# Allegro board RK_EVB1_RK3576_LP4XD200P132SD6_V12_20240530YWQ.brd (continued)
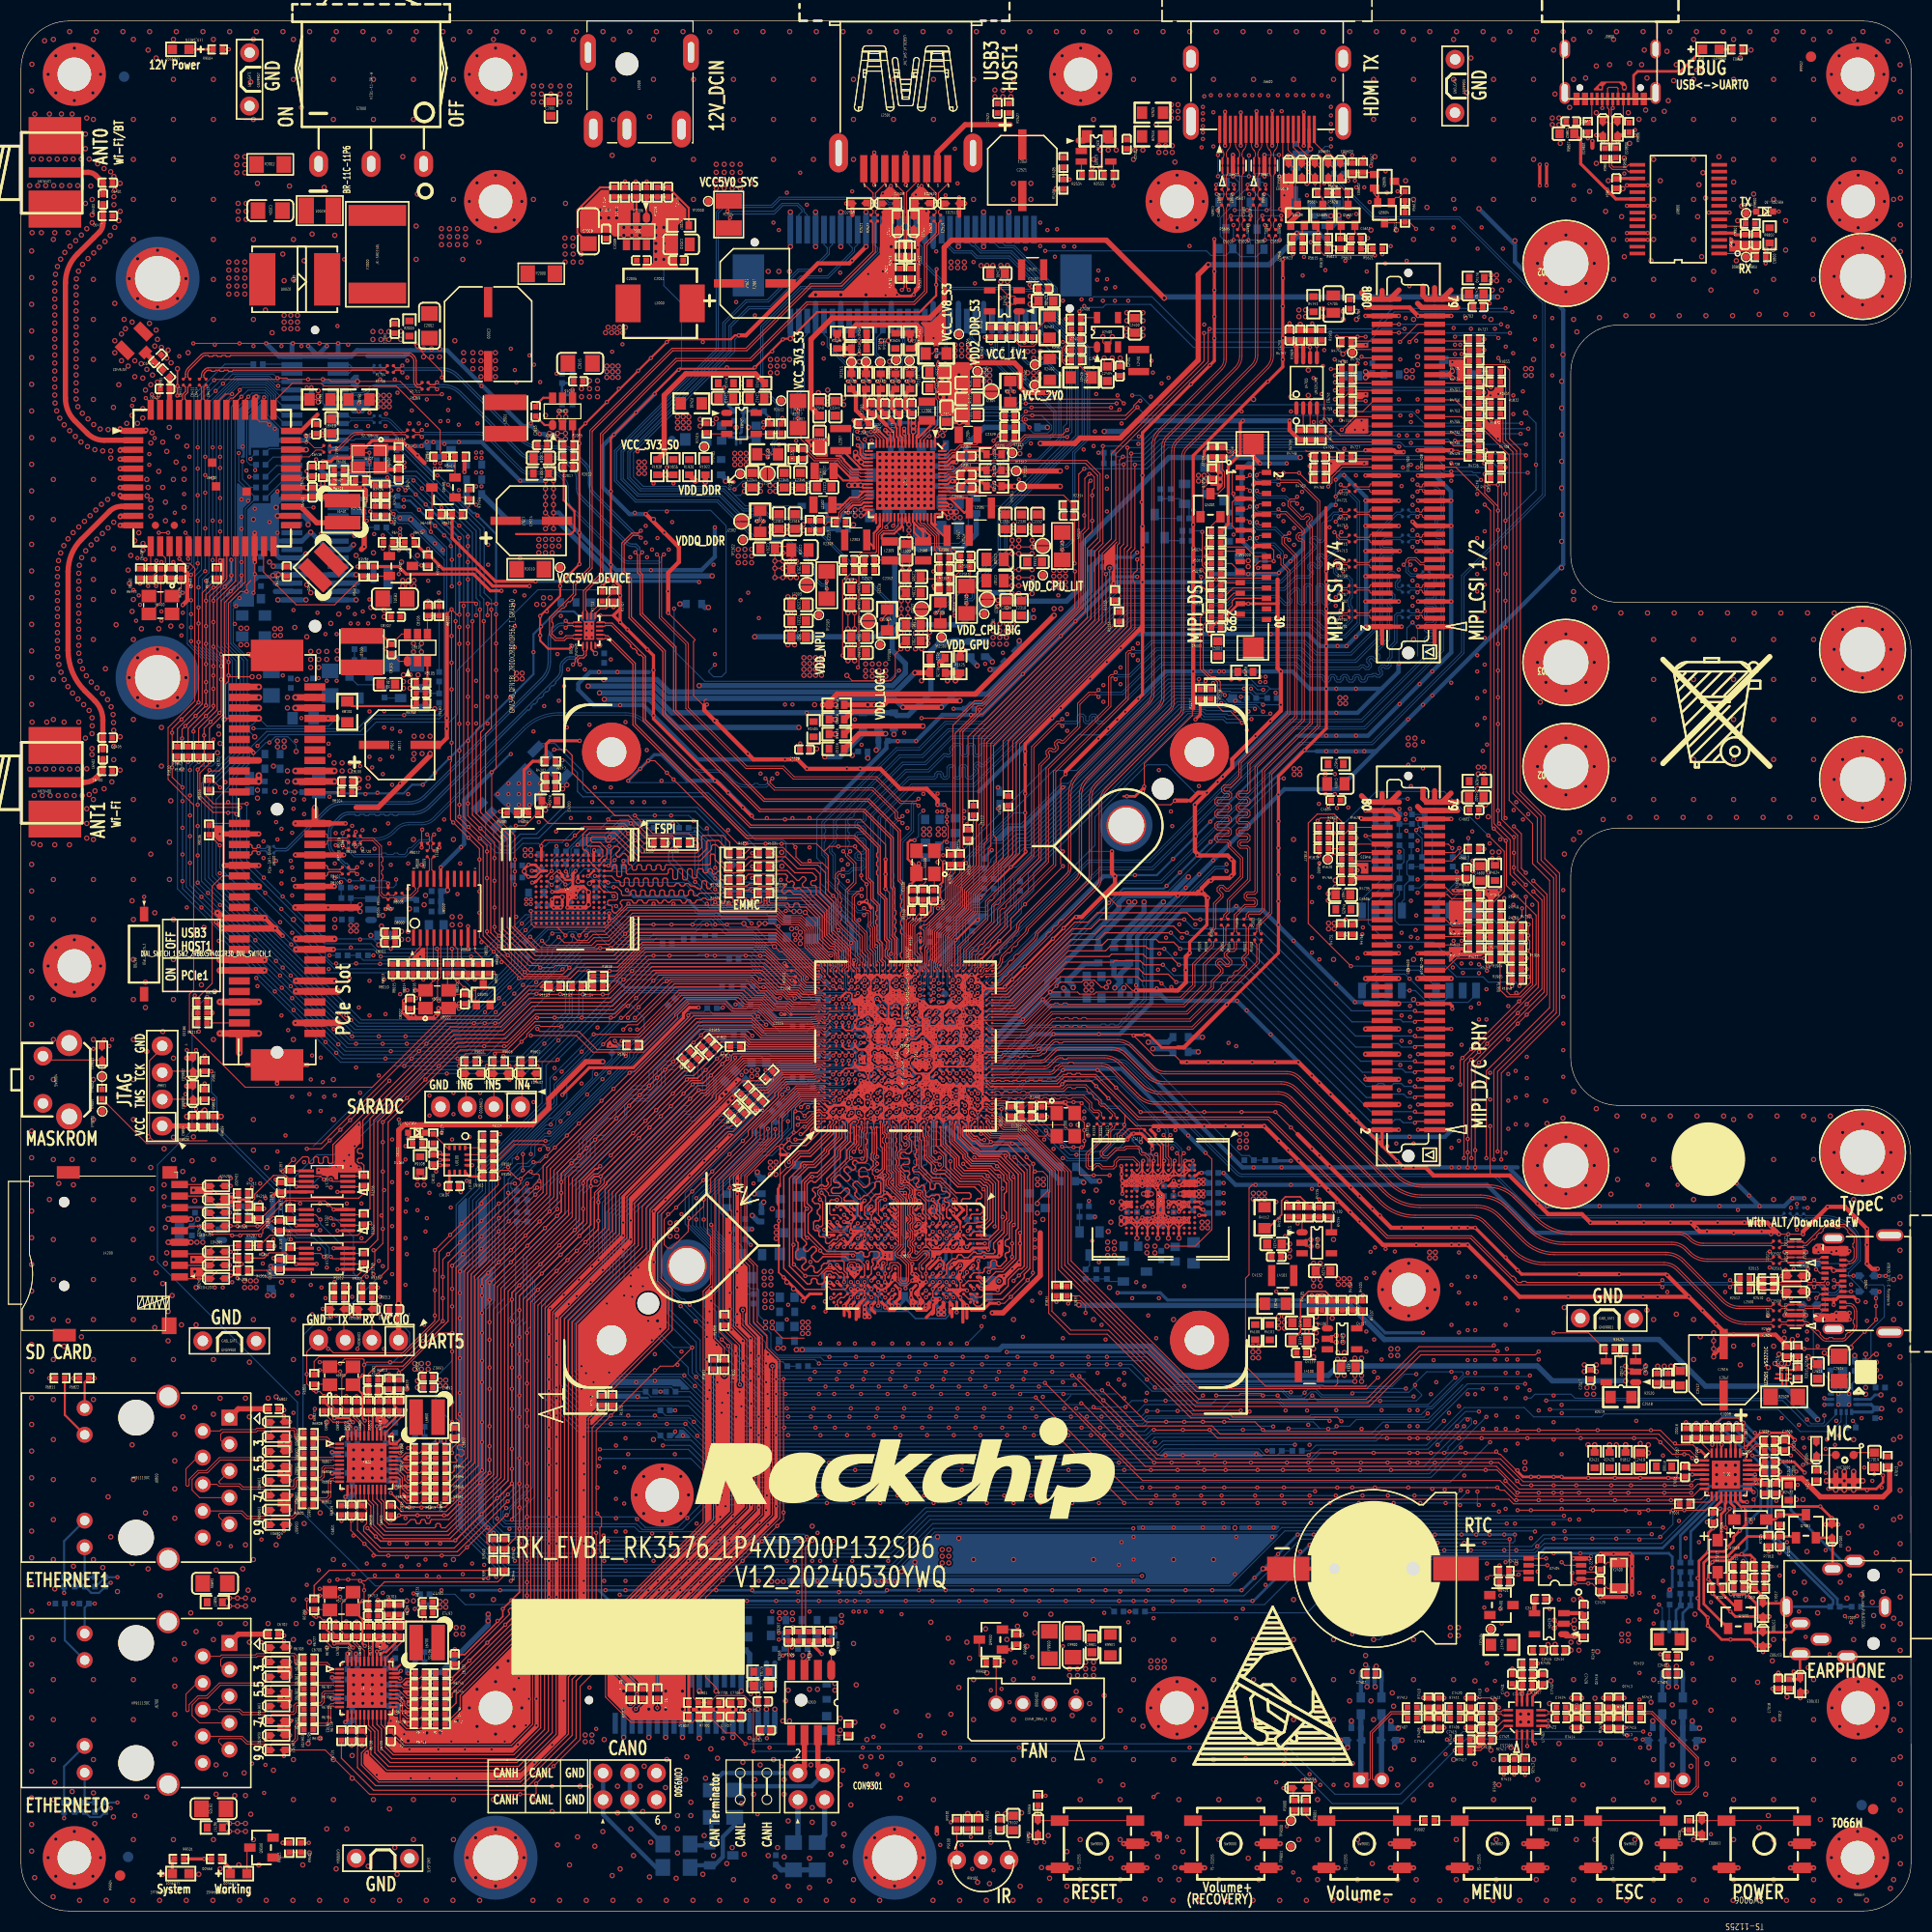
[diagram p0: board, top side]
## Routing (per net, layer and track width the routed paths; a pad name or vN(x,y) marks a point on that pad's centre or on a via; arc(x,y) is an arc through that point) (continued)
143.76,88.42 142.61,87.27 141.82,87.27 141.51,87.58 v1(141.51,90.24) ; v1(41.01,123.97) 41.52,123.46 v1(41.75,123.46) 41.75,123.46 41.75,124.66 43.19,124.66 v1(43.35,124.5) ; v1(41.01,123.97) 40.55,123.52 ; v1(41.01,123.97) v1(41.01,121.43) v1(41.01,118.89) v1(41.01,116.35) v1(41.01,111.27) 41.01,109.52 40.91,109.42 40.91,103.93 v1(41.17,103.66) v1(42.62,102.21) 43.66,101.17 v1(43.66,100.15) v1(43.66,97.1) v1(43.66,95.07) 43.66,92.72 v1(45.01,91.37) 47.59,88.79 52.31,88.79 53.05,89.53 v1(54.04,89.53) v1(56.05,89.53) 56.76,89.53 59.24,92 71.61,92 71.76,91.85 ; v2(87.39,147.32) 87.39,147.09 C2337.2 87.91,147.2 v2(88.03,147.32) ; v2(96.29,126.23) v2(95.02,126.23) v2(94.39,126.23) 94.06,126.23 C2307.2 93.9,126.99 v2(94.39,126.99) v2(95.02,126.99) v2(96.29,126.99) ; 82.87,74.47 82.97,74.37 82.87,74.26 ; 82.87,74.47 82.87,74.26 ; v2(96.29,130.55) v2(96.29,129.91) v2(95.02,129.91) ; v1(68.07,53.1) 68.07,49.83 68.14,49.75 ; 84.91,66.58 84.95,66.54 ; v1(123.48,103.83) 123.75,104.1 124.93,104.1 v1(125.17,103.86) ; 73.36,129.59 73.11,129.33 v2(72.56,129.33) ; 73.36,129.59 73.36,129.03 ; v1(93.38,76.39) 93.38,76.39 92.57,76.39 U1000.AL4 92.33,76.32 92.05,76.59 91.67,76.59 91.58,76.51 ; 24.68,145.99 24.55,145.87 18.47,145.87 v1(18.4,145.8) ; 24.68,145.99 v1(24.42,145.99) ; 24.68,145.99 25.31,145.99 25.44,145.87 v1(27.35,145.87) v1(28.75,145.87) 29.32,145.87 29.51,145.67 v2(32.04,145.67) 36.13,145.67 37.42,144.38 40.01,144.38 v1(40.09,144.46) ; v1(44.49,31.7) 33.07,31.7 32.81,31.44 v1(32.3,31.44) ; 19.88,117.55 19.76,117.66 ; v1(47.59,69.72) 47.59,69.28 45.72,67.42 45.54,67.42 v1(45.51,67.38) v1(43.86,65.73) v1(41.82,63.7) v1(40.68,62.55) 40.17,62.05 v1(40.17,60.4) v1(40.17,58.36) v1(40.17,56.18) v1(38.29,54.3) 36.26,52.27 v1(35.15,52.27) 32.93,52.27 v1(32.68,52.01) ; v1(47.59,69.72) 47.29,69.72 46.46,70.54 45.62,70.54 45.46,70.38 45.46,69.84 v1(45.51,69.79) 45.46,69.74 45.46,69.17 43.86,67.57 v1(43.86,67.38) v1(41.95,65.48) v1(40.87,64.4) v1(39.41,62.94) v1(39.41,61.03) v1(39.41,59.13) v1(39.41,56.71) 39.41,56.21 36.36,53.16 29.76,53.16 28.54,54.38 CON9304.4 27.22,53.25 v1(27.22,51.13) 27.22,50.24 27.47,49.98 27.47,49.85 27.85,49.47 v1(28.11,49.47) 28.45,49.47 v1(28.88,49.05) ; v1(47.59,69.72) 48.3,70.43 v1(48.55,70.43) 48.55,70.32 48.69,70.18 49.26,70.18 49.36,70.08 v1(49.36,69.52) ; v1(12.9,128.6) 12.87,128.56 12.87,127.44 R6413.2 12.36,126.69 v1(12.87,126.18) ; v1(55.2,69.96) 55.2,69.33 54.9,69.03 v1(54.27,69.03) ; 83.99,69.32 83.88,69.22 83.78,69.32 ; 83.99,69.32 83.78,69.32 ; 83.78,69.32 83.78,69.67 ; v1(50.54,98.39) 50.54,98.55 50.99,99 v1(51.23,99) ; 80.94,81.34 80.94,80.79 ; 83.92,68.2 83.6,68.52 ; 83.6,68.52 83.1,69.03 ; 84.24,66.19 84.24,67.26 ; v1(32.3,31.44) 32.68,31.06 v1(32.68,30.55) 32.68,29.66 v1(32.55,29.54) ; v1(32.3,31.44) 32.17,31.57 v1(31.16,31.57) v1(30.14,31.57) ; 85.33,67.63 85.4,67.63 ; v2(60.46,159.58) v2(61.22,159.58) v2(61.22,158.82) v2(61.22,158.06) v2(61.22,157.3) ; v2(60.46,159.58) v2(58.93,159.58) v2(58.17,159.58) v2(57.41,159.58) ; v2(60.46,159.58) v2(60.46,158.82) v2(60.46,158.06) v2(60.46,157.3) ; 82.87,74.26 82.87,74.22 ; v1(143.32,98.88) 142.89,99.31 142.89,102.59 v1(142.18,103.3) ; v1(33.09,136.85) 33.18,136.95 v1(33.18,138.88) 32.33,138.88 Y6401.2 ; 85.09,67.94 85.4,67.63 ; Y6800.4 29.73,52.14 v1(30.39,52.14) 30.83,52.58 32.58,52.58 32.68,52.48 v1(32.68,52.01) ; v1(101.39,56.97) 101.39,57.66 100.92,58.13 100.01,58.13 v1(99.74,57.86) ; v1(22.27,128.47) v1(22.27,127.32) 22.27,125.8 22.14,125.67 v1(22.14,125.55) ; 93.51,63.97 93.51,62.77 v1(93.17,62.43) 93.17,62.38 ; 93.51,63.97 93.51,64.08 93.92,64.49 93.92,65.63 94.11,65.82 94.11,69.49 93.9,69.7 93.9,70.09 93.06,70.93 v1(92.96,70.93) 92.7,71.18 90.55,71.18 89.92,71.81 89.92,72.08 88.68,73.33 88.68,74.99 88.74,75.06 88.74,75.47 ; v1(107.86,10.87) 108.23,11.23 108.42,11.23 ; 88.92,90.5 88.92,92.33 89,92.41 v1(89,92.45) ; v1(162.47,34.62) 162.47,36.39 v1(162.35,36.52) 162.35,37.77 162.73,38.15 162.73,38.31 v1(162.72,38.31) ; C2341.2 77.85,144.09 v2(78.35,144.09) ; C2341.2 77.28,144.09 v2(76.82,144.09) 76.32,144.09 C2340.2 76.39,143.45 v2(76.82,143.45) 77.21,143.45 C2341.2 ; C2341.2 77.92,143.45 v2(78.35,143.45) ; 90.77,80.77 90.77,81.37 ; C7009.2 161.58,37.46 161.58,38.07 v1(161.82,38.31) ; 74.85,89.01 72.47,91.38 72.23,91.38 71.76,91.85 ; v1(87.33,95.5) 87.47,95.5 88.25,96.29 88.25,98.18 v1(88.41,98.33) ; 146.46,27.36 146.37,27.36 v2(146.03,27.7) ; 146.46,27.36 v2(146.03,26.94) ; 80.22,75.47 v1(79.74,75.47) ; v1(112.82,72.21) 113.41,71.61 113.41,64.9 111.83,63.32 v2(109.13,63.32) ; v1(142.63,32.04) 142.53,31.95 139.87,31.95 v1(139.61,31.69) ; 88.18,104.59 88.18,105.1 v1(87.92,105.35) ; v1(86.91,126.18) 87.19,125.9 R2305.2 ; ED4201.2 v1(19.96,69.05) ; 83.58,65.65 83.58,66.98 ; v2(68.9,135.77) 69.45,135.77 C2344.2 ; 72.3,69.29 72.3,70.18 ; 72.3,70.18 72.3,72.08 ; 72.3,70.18 72.94,70.81 72.77,70.98 72.77,71.66 v1(73.13,72.02) 72.78,72.37 72.45,72.7 ; v1(69.65,83.35) 69.65,83.36 69.25,83.76 65.11,83.76 v1(64.76,83.41) v1(64.06,82.71) ; v1(73.75,76.17) 73.75,76.5 74.38,77.13 75.32,77.13 75.35,77.09 75.79,77.09 ; v1(73.75,76.17) 74.17,76.17 v1(74.62,75.72) 74.63,75.72 74.93,76.02 74.93,76.02 75.03,76.13 75.63,76.13 75.74,76.24 75.74,76.24 75.74,76.24 75.92,76.24 U1000.A4 76.11,76.32 76.39,76.04 76.77,76.04 ; v1(73.75,76.17) 73.59,76.01 v1(73.59,74.14) ; 140.67,133.77 v1(140.67,133.37) v1(140.67,131.52) v1(140.67,128.29) v1(140.67,125.75) v1(140.67,120.67) v1(140.67,118.13) v1(140.67,115.59) v1(140.67,113.05) v1(140.67,104.8) 140.67,103.68 v1(140.78,103.56) 142.06,102.28 v1(142.18,102.28) v1(142.18,100.78) v1(142.18,99.39) 142.18,98.87 v1(143.32,97.73) ; v1(140.76,19.38) 140.73,19.38 140.63,19.48 140.63,19.63 139.97,20.29 v1(138.6,20.29) ; 83.98,62.47 84.13,62.32 ; 84.13,62.32 84.13,62.77 ; v1(113.83,49.09) 115.96,49.09 116.14,49.27 118.1,49.27 v1(118.28,49.09) ; ED4203.2 v1(19.9,66.51) ; v1(65.21,80.1) 65.24,80.1 65.95,80.81 65.95,80.84 v1(66.29,81.18) v1(66.81,81.69) 66.97,81.86 ; 139.99,70.05 139.92,70.12 v1(139.92,74.75) ; 79.61,80.4 79.52,80.31 79.19,80.31 ; 83.78,72.5 83.68,72.4 ; 83.78,72.5 84.27,72.5 84.59,72.83 84.59,73.23 84.24,73.59 v1(84.24,73.65) 84.24,73.81 84.57,74.14 84.57,74.43 84.52,74.49 84.52,75.47 84.52,75.47 v1(84.52,75.49) ; v2(74.16,95.2) v2(73.62,95.2) 73.32,95.2 72.74,95.78 71.21,95.78 ; v1(128.06,149.93) v1(127.29,149.93) v1(125.32,149.93) ; 111.64,114.53 111.55,114.45 111.55,113.86 106.97,109.28 106.97,107.1 v1(106.97,107.09) ; v2(87.55,144.18) 87.55,143.82 C2324.2 88.16,143.22 v2(88.16,144.18) ; R2523.2 151.75,53.47 v2(152.31,52.9) 152.82,53.41 R2524.2 ; 82.92,80.12 82.32,80.12 ; 115.68,134.5 115.67,134.5 115.47,134.71 v1(115.47,134.99) 115.36,135.1 115.36,136.98 115.88,137.5 CON5000.1 ; 115.68,134.5 CON5000.7 ; R2013.2 49.95,137.2 v2(49.95,137.61) ; R2013.2 49.95,136.62 v2(49.95,136.22) v2(49.95,135.45) v2(49.95,134.69) v2(49.95,133.93) v2(49.95,133.17) 50.71,132.41 ; R2013.2 50.71,137.38 v2(50.71,137.61) ; 119.58,136.96 v1(120.23,136.96) v1(121.72,136.96) 122.67,136.02 124.56,136.02 124.66,136.12 124.66,137.16 125.38,137.89 127.91,137.89 v1(127.93,137.87) ; v1(49.36,69.52) 49.51,69.37 49.51,68.75 v1(48.99,68.23) 48.99,68.23 v1(46.44,65.68) v1(45.49,64.73) v1(43.84,63.08) 41.8,61.03 v1(41.8,60.9) v1(41.8,58.87) v1(41.8,56.46) v1(41.8,54.81) v1(41.8,52.65) v1(41.8,49.35) v1(41.8,47.32) 41.81,47.3 41.81,47.08 41.96,46.93 41.96,44.99 41.06,44.08 v1(41.06,43.63) ; v1(49.36,69.52) 49.29,69.52 48.59,68.82 48.42,68.82 v1(43.86,64.25) v1(41.06,61.45) v1(41.06,59.25) v1(41.06,57.58) v1(41.06,55.04) ; 121.58,73.99 v1(120.94,74.62) v1(119.47,76.09) v1(116.25,76.09) v1(112.69,76.09) v1(111.04,76.09) v1(108.93,76.09) v1(106.63,76.09) 104.38,78.34 ; v1(86.94,75.47) 86.94,72.41 v1(87.09,72.26) 87.48,72.26 87.85,71.89 87.85,70.94 87.47,70.56 ; v2(125.26,54.17) 124.74,54.17 U4101.2 124.73,54.81 v2(125.26,54.81) ; C2344.2 70.01,135.21 v2(70.42,135.21) ; C2344.2 69.86,135.77 v2(70.42,135.77) ; C2344.2 69.31,135.21 v2(68.9,135.21) ; 127.93,79.62 128.35,79.2 ; v1(109.9,105.73) 109.87,105.73 109.5,105.35 108.12,105.35 106.97,106.5 106.97,106.85 ; v1(94.39,63.57) 94.39,65.17 v1(94.55,65.34) 94.68,65.47 94.68,69.76 v1(94.51,69.92) 94.51,70.21 93.1,71.62 90.94,71.62 v1(90.79,71.77) ; 120.57,62.31 C4132.2 ; v1(41.7,80.48) 41.7,81 42.34,81.65 44.25,81.65 ; v1(94.4,61.16) v1(95.04,61.79) 95.14,61.9 v1(95.14,63.57) v1(95.14,64.59) 95.27,64.71 95.27,70.19 93.77,71.69 v1(93.77,71.94) 93.64,72.06 91.34,72.06 91.04,72.36 90.82,72.36 89.47,73.71 89.47,74.87 89.34,74.99 89.34,75.47 ; 68.98,95.78 v1(68.75,96.01) 68.51,95.78 ; 68.98,95.78 68.51,95.78 ; 68.98,95.78 70.6,95.78 ; 138.49,70.56 v1(138.49,70.82) v1(138.49,72.46) v1(138.49,74.74) 138.49,80.45 v1(138.85,80.81) v1(142.55,84.51) v1(143.41,85.36) 145.33,87.28 145.33,96.82 v1(144.03,98.12) ; 91.12,75.31 91.12,74.51 91.43,74.2 v1(91.43,74.01) 91.46,74.01 91.47,74.02 91.61,74.02 92.24,73.39 92.24,73.35 ; 91.12,75.31 90.98,75.44 ; v1(85.88,94.71) 85.76,94.71 84.92,93.87 84.92,90.69 v1(85.05,90.56) 85.07,90.55 85.07,89.8 ; v1(92.72,65.2) 92.72,65.2 92.81,65.3 92.81,69.34 92.26,69.89 92.18,69.89 v1(92.06,70) 91.82,70.24 89.75,70.24 89.11,70.89 89.11,71.72 87.82,73.02 87.82,75.14 U1000.1W1 ; 125.14,49.98 128.02,49.98 128.13,50.08 ; 125.14,49.98 125.39,50.24 v2(125.39,51.02) 125.39,51.61 125.59,51.81 ; 92.34,73.25 92.17,73.08 91.42,73.08 90.93,73.57 90.68,73.57 90.25,74 90.25,75.16 U1000.1AC1 ; v1(19.76,117.67) v1(19.76,118.94) 19.76,124.57 20.86,125.67 v1(21.48,125.67) 21.48,126.29 21.88,126.69 21.88,126.7 ; v1(27.22,72.59) 28.61,72.59 v1(29.4,73.38) v1(30.42,74.4) v1(31.34,75.33) v1(33.18,77.17) v1(35.08,79.07) ; v2(57.4,20.94) 57.4,21.07 55.92,22.55 55.92,27.63 59.64,31.34 ; 84.2,62.76 84.2,62.83 84.24,62.88 ; 84.2,62.76 84.18,62.77 ; 85.85,65.56 86.02,65.56 86.19,65.73 ; 85.85,65.56 85.87,65.54 U3800.J3 ; v1(19.34,99.58) 19.34,102.17 v1(18.93,102.58) ; 67.6,73.98 v1(67.49,73.86) v1(66.27,72.64) v1(65.07,71.44) v1(63.67,70.04) v1(61.38,67.75) v1(60.26,66.63) v1(60.26,63.95) v1(60.26,61.79) ; 84.24,63.12 84.24,63.95 ; 84.24,63.12 84.24,62.88 ; 86.34,75.47 85.89,75.47 ; 86.34,75.47 86.34,75.07 86.17,74.89 86.17,73.81 86.29,73.69 86.29,71.77 87.09,70.97 v1(87.09,70.57) 87.09,70.56 87.47,70.56 ; 86.34,75.47 v1(86.34,75.47) ; U2502.2 154.2,51.36 v2(154.73,51.89) ; U2502.2 153.5,51.63 153.08,51.63 v2(152.82,51.89) ; 65.47,95.78 65.17,95.78 ; 65.47,95.78 v1(65.32,95.93) 65.17,95.78 ; 83.1,69.03 82.97,69.15 82.97,69.41 ; 83.1,69.03 83.1,69.28 82.97,69.41 ; v2(71.76,91.84) 71.76,91.85 ; U1000.1H1 81.22,75.14 81.22,74.56 81.28,74.49 81.28,73.93 81.28,73.92 81.28,72.11 81.2,72.03 81.2,71.68 81.54,71.34 v1(81.54,71.17) ; 73.35,127.78 73.34,127.78 v2(72.56,126.99) ; 73.35,127.78 v2(72.56,128.57) ; v2(73.04,120.59) 73.04,121.03 C2322.2 ; Y6700.4 29.11,30.68 v1(28.45,30.68) ; Y6700.4 29.73,30.68 v1(30.39,30.68) ; Y6700.4 29.87,29.92 v1(30.39,29.92) ; Y6700.4 29.09,30.04 v1(28.45,30.04) ; v1(80.53,96.19) 81.19,95.53 81.19,93.83 81.32,93.7 81.32,92.02 v1(81.45,91.89) 81.58,91.76 81.58,90.47 81.77,90.28 81.77,89.04 ; U1000.2C6 81.57,82.11 81.06,82.11 U1000.2B6 80.94,81.99 80.94,81.44 ; 82.74,87.47 83.33,87.47 v1(83.34,87.47) ; 68.49,38.27 68.44,38.33 v1(68.44,42) v1(68.44,42.71) v1(68.44,49.45) ; 68.49,38.27 68.09,37.87 ; U1000.1M20 U1000.1L20 U1000.1K20 ; v1(82.96,69.41) 82.96,69.62 83.11,69.77 ; v1(82.96,69.41) 82.97,69.41 ; v1(82.96,69.41) 83.11,69.56 83.11,69.77 ; 53.95,93.69 51.07,93.69 ; 53.95,93.69 v1(53.17,92.91) ; 53.95,93.69 55.6,93.69 55.94,94.03 55.94,94.25 v1(56,94.31) ; 51.07,93.69 48.92,93.69 48.6,94 48.6,95.01 48.55,95.06 v1(48.55,95.24) ; 51.07,93.69 v1(51.85,92.91) ; v1(159.81,43.83) 159.24,44.39 157.66,44.39 v1(157.53,44.53) 157.39,44.53 156.12,45.79 v1(155.23,45.79) v1(150.15,45.79) v1(148.25,45.79) v1(144.54,45.79) v1(142.53,45.79) 142.41,45.66 118.44,45.66 v1(118.28,45.83) 117.51,46.59 v1(114.59,46.59) v1(112.56,46.59) v1(110.78,46.59) v1(109.06,46.59) 107.14,46.59 v1(103.52,50.21) ; v1(70.26,52.86) 70.26,54.7 69.1,55.85 69.1,61.06 v1(68.62,61.54) ; 76.49,100.91 76.97,101.39 v1(77.84,101.39) v1(79.43,101.39) 79.43,101.27 80.02,100.69 v1(80.02,98.62) 80.02,98.29 v1(80.53,97.78) ; v1(32.55,51) 32.68,51.13 v1(32.68,52.01) ; v1(83.1,67.91) 83.32,67.91 83.58,67.65 83.58,67.42 ; 91.37,84.02 90.77,84.02 U1000.2U9 ; v2(96.29,127.75) v2(95.02,127.75) v2(94.39,127.75) 93.6,128.55 C2308.2 ; 107.86,74.75 107.57,74.45 C4110.2 ; v2(103.16,147.9) 103.16,147.41 C2404.2 103.93,147.57 v2(103.93,147.9) ; v1(15.34,111.67) 15.34,112.54 v1(15.66,112.85) v1(16.63,113.83) v1(17.62,114.82) v1(17.62,116.15) v1(17.62,117.04) v1(17.62,118.76) v1(17.62,120.68) v1(17.62,122.37) v1(17.62,124.79) 17.62,125.35 v1(18.32,126.06) 18.54,126.06 19.22,126.74 19.22,128.34 v1(18.96,128.6) ; v1(57.8,85.06) v1(58.82,86.07) 61.17,88.42 61.34,88.42 61.48,88.56 v1(61.51,88.56) 61.53,88.59 61.73,88.59 61.86,88.72 69.61,88.72 70.35,87.98 v1(70.7,87.98) 70.91,87.98 71.94,86.95 v1(72.29,86.95) ; 57.4,25.18 v1(59,26.79) v1(68.54,36.33) 70.26,38.04 v1(70.26,38.43) v1(70.26,42) v1(70.26,45.32) v1(70.26,47.09) v1(70.26,50.91) ; 57.4,25.18 v2(57.4,23.62) ; v1(68.44,49.45) 68.14,49.75 ; v2(126.02,52.55) 126.02,52.25 125.71,51.93 C4116.2 125.59,51.81 ; 84.24,64.21 84.24,63.95 ; 84.24,64.21 84.24,64.59 ; C2518.2 155.81,51.82 v2(155.87,51.89) ; v1(93.16,92.37) 94.27,93.48 94.27,94.53 v1(95.62,95.88) 99.02,99.28 99.02,99.3 ; U1000.1D3 78.86,76.35 79.43,76.35 U1000.1E3 ; v1(128.06,149.16) 127.81,148.92 126.54,148.92 v2(125.9,148.28) ; v2(96.29,129.28) v2(95.02,129.28) v2(94.39,129.28) 94.15,129.28 C2308.2 ; v1(107.73,72.59) 107.62,72.48 107.62,72.09 107.87,71.83 v1(107.87,71.45) ; 66.42,95.78 67.19,95.78 ; v1(122.67,165.62) 123.14,165.15 ED5604.2 ; v1(73.59,74.14) 73.59,74.01 73.22,73.64 73.22,73.6 v1(73.09,73.47) 73.45,73.12 74.56,73.12 75.58,74.14 v1(75.58,74.27) ; C7011.2 166.49,43.25 165.65,43.25 165.52,43.38 v1(164.89,43.38) ; 84.24,65.58 84.24,64.8 ; 84.24,64.8 84.24,64.59 ; v1(149.52,32.63) 149.6,32.71 149.7,32.71 C2422.1 ; 88.96,101.42 88.96,112.15 90.95,114.14 90.95,114.61 91.12,114.77 91.59,114.77 100.94,124.13 100.94,131.33 101.32,131.7 101.32,136.44 v1(101.75,136.87) 101.92,136.87 102.22,136.57 102.22,135.52 102.02,135.33 v1(102.02,134.82) v1(102.02,132.41) 102.02,131.39 101.35,130.72 101.35,123.75 v1(100.43,122.83) v1(99.03,121.43) v1(95.41,117.81) 91.59,113.99 91.37,113.99 89.7,112.32 89.7,104.06 89.7,102.31 ; 79.56,74.11 79.56,73.05 78.91,72.4 78.91,71.83 v1(79.04,71.7) ; U3800.N2 83.27,65.6 83.58,65.28 ; v1(147.74,32.2) 147.74,31.44 v1(148,31.19) v1(149.27,31.19) 149.65,31.19 150.33,30.51 C2420.1 ; v2(95.02,130.55) v2(95.02,129.91) ; 95.02,125.42 v2(95.02,125.47) ; v2(95.02,125.47) v2(94.39,125.47) 93.86,124.94 C2309.2 ; 85.12,64.71 85.12,64.47 U3800.K4 85.12,64.27 85.12,63.9 84.9,63.68 84.9,63.46 85.12,63.24 85.12,62.93 85.26,62.78 v1(85.26,62.7) 85.32,62.75 85.52,62.75 85.96,63.19 85.98,63.19 ; 100.8,72.74 v1(101.01,72.74) 101.16,72.74 101.26,72.84 v1(101.26,73.35) v1(101.26,74.37) 101.26,75.08 Y1300.4 ; 100.8,72.74 100.8,70.17 100.9,70.07 v1(102.16,70.07) v1(103.67,70.07) ; U1000.1E3 U1000.1E2 ; U1000.1E3 U1000.1F3 ; v1(77.14,91) 76.92,91 75.66,92.25 75.66,94.12 v2(74.68,95.1) ; v1(94.42,73.1) 94.68,73.1 95.77,72.01 v1(95.77,71.79) v1(96.4,71.16) 96.4,70.4 96.37,70.37 v1(96.37,60.78) 96.37,60.59 v1(95.86,60.08) v1(94.27,58.49) 93.66,57.87 v1(93.12,57.87) ; 90.98,75.44 90.52,75.44 v1(90.5,75.42) ; v1(159.17,43.12) 158.8,43.5 v1(158.4,43.5) 157.27,43.5 v1(156.13,44.64) 155.74,45.03 v1(153.62,45.03) v1(148.54,45.03) v1(143.46,45.03) v1(139.11,45.03) v1(136.95,45.03) v1(134.03,45.03) v1(133.01,45.03) v1(132.25,45.03) v1(130.09,45.03) 113.96,45.03 113.2,45.79 107.93,45.79 v1(107.89,45.83) ; v1(41.06,55.04) 39.84,55.04 36.32,51.53 36.26,51.53 v1(35.98,51.25) 35.98,51.53 35.88,51.63 34.46,51.63 34,51.17 v1(34,51.09) ; v1(98.02,87.51) v1(97.32,86.81) v1(95.42,84.91) 95.35,84.84 91.83,84.84 91.82,84.84 91.59,84.84 ; v1(98.02,87.51) v1(98.62,88.11) 98.97,88.46 101.01,88.46 101.18,88.64 102.22,88.64 102.89,87.98 v2(103.36,87.98) ; 32.05,95.58 v2(32.3,95.83) ; v1(142.53,38.17) v1(143.8,38.17) v1(149.71,38.17) v1(152.82,38.17) v1(154.98,38.17) v1(157.33,38.17) v1(158.41,38.17) 160.44,38.17 160.76,38.49 ; C2322.2 73.68,121.04 v2(73.68,120.59) ; C2322.2 73.68,121.67 v2(73.68,122.12) ; v1(73.06,78.35) 72.49,77.79 v1(72.49,77.75) 72.48,77.74 72.48,77.53 69.26,74.3 69.26,73.86 v1(68.75,73.35) v1(67.48,72.08) v1(65.83,70.43) v1(65,69.6) v1(63.92,68.52) v1(62.4,67) 61.25,65.86 61.25,63.46 61.58,63.14 61.96,63.14 63.54,64.71 63.54,65.65 65.02,67.13 v1(65.02,67.76) ; 70.6,95.78 70.78,95.96 70.78,96.23 v1(70.91,96.36) 71.03,96.23 71.03,95.96 71.21,95.78 ; 70.6,95.78 71.21,95.78 ; 84.18,62.77 84.13,62.77 ; 84.16,125.55 83.84,125.87 v2(83.84,126.31) ; v2(148.88,52.01) 148.98,52.01 C2517.2 ; v1(51.48,84.24) 49.47,84.24 49.36,84.36 49.03,84.36 48.17,83.5 48.17,83.29 v1(47.67,82.78) 46.68,81.8 45.27,81.8 v1(45.13,81.65) ; v1(91.61,65.22) 91.69,65.22 92.3,65.83 92.3,69.07 91.99,69.38 91.81,69.38 91.44,69.75 89.52,69.75 88.51,70.76 v1(88.51,71.41) ; v2(150.03,51.38) 149.62,51.38 C2517.2 ; v2(145.43,25.37) C2415.2 ; v2(120.82,63.52) C4131.2 ; 68.51,95.78 67.66,95.78 ; v1(96.56,70.43) 97.32,70.43 97.75,70 97.75,69.89 97.78,69.86 97.78,68.58 96.79,67.59 v2(96.79,67.38) ; v1(44.43,123.4) v1(44.43,124.51) 45.23,124.51 v1(45.25,124.49) ; 50.71,132.41 v2(49.95,131.64) ; v2(71.8,127.88) v2(71.8,126.99) v2(72.56,126.99) ; v2(71.8,127.88) v2(71.8,128.57) ; v1(96.21,143.98) 104.62,143.98 v1(105.02,143.58) ; U1000.1AC2 90.23,75.78 90.23,76.36 U1000.1AC3 ; 78.74,74.11 78.74,73.38 77.8,72.44 77.8,71.89 75.83,69.92 v1(75.35,69.92) ; v1(36.5,80.48) v1(37.2,81.18) v1(37.91,81.89) v1(38.61,82.59) 40.57,84.55 v1(43.14,84.55) v1(44.16,84.55) v1(45.16,84.55) 45.54,84.55 48.34,87.35 v1(49.1,87.35) 49.15,87.29 v1(53.51,87.29) v1(55.41,87.29) 55.96,87.29 v1(57.38,88.71) v1(58.19,89.53) 59.64,90.97 60.22,90.97 v1(60.24,90.99) v1(61.76,90.99) v1(65.32,90.99) v1(66.08,90.99) v1(69.03,90.99) 70.39,90.99 v1(70.4,90.98) 70.93,90.98 73.26,88.64 v1(73.42,88.64) ; v1(141.39,104.08) 141.26,104.21 141.26,122.15 v1(141.38,122.26) v1(141.38,124.8) v1(141.38,127.34) v1(141.38,129.88) v1(141.38,132.42) v1(141.38,134.96) 141.38,137.49 v1(141.38,137.5) ; 89.15,67.38 89.15,67.91 87.56,69.51 86.77,69.51 85.51,70.76 85.51,73.28 85.38,73.42 85.38,75.1 U1000.1R1 ; 68.14,49.75 68.09,49.7 v1(68.09,39.57) 68.09,37.87 ; v1(81.45,69.85) 81.65,70.05 ; 81.65,70.05 82.06,70.46 ; 81.65,70.05 v1(82.24,70.05) 82.06,70.23 82.06,70.46 ; 78.16,67.52 78.16,67.32 78.26,67.23 ; 78.16,67.52 77.86,67.23 ; 80.64,79.09 80.04,79.09 ; v2(66.2,20.94) 66.2,21.29 65.19,22.3 65.19,29.84 v1(66.84,31.49) 68.7,33.34 v1(68.72,33.34) 68.72,33.37 v1(70.56,35.21) v1(72.02,36.67) 72.62,37.27 v1(72.62,37.95) v1(72.62,50.65) ; 87.47,70.56 87.98,70.56 89.33,69.21 91.22,69.21 91.66,68.76 v1(91.66,68.74) 91.83,68.57 91.83,66.21 v1(91.61,65.98) ; C2517.2 149.3,51.38 v2(148.88,51.38) ; v1(41.04,91.64) 41.04,91.53 41.06,91.51 41.06,88.97 41.44,88.59 v1(41.57,88.59) 42.21,87.95 v1(42.21,87.91) 42.44,87.91 42.89,87.45 v1(42.89,87.18) 42.89,87.01 C8003.2 41.73,86.4 v1(41.7,86.43) ; 67.66,95.78 67.19,95.78 ; 67.66,95.78 v1(67.42,96.01) 67.19,95.78 ; 167.81,53.53 v1(169.84,53.53) 173.96,53.53 v1(175.59,55.16) 176.67,56.24 v1(176.67,56.33) v1(176.67,57.6) v1(176.67,58.36) ; v1(25.62,15.34) 28.97,15.34 33.19,11.12 v1(47.54,11.12) 48.96,11.12 49.06,11.22 v1(49.06,12.14) v1(50.71,13.79) 53.25,16.33 53.25,21.41 v1(54.77,22.92) 55.29,23.44 v1(55.29,25.41) v1(55.29,27.95) v1(55.29,29.54) 55.29,34.11 55.13,34.26 55.13,36.49 55.29,36.65 55.29,37.45 v1(54.88,37.86) 54.78,37.96 54.78,45.79 v1(56.17,47.19) 60.87,51.89 62.14,51.89 v1(63.92,53.67) ; v1(95.04,60.52) 95.82,61.3 95.82,70.59 v1(94.62,71.79) ; 88.31,102.2 88.31,103.32 88.18,103.45 v1(88.18,103.72) v1(88.18,104.21) ; v2(72.56,128.57) v2(71.8,128.57) ; v2(72.56,128.57) v2(72.56,129.33) ; U3800.Y8 78.72,61.58 78.94,61.81 79.38,61.81 v1(79.69,61.49) ; v2(79.39,126.66) 79.39,126.24 C2347.2 78.76,126.25 v2(78.76,126.66) ; 73.35,103.96 v1(73.47,104.08) ; v1(73.47,104.08) 73.47,104.06 ; v2(174.28,53.67) 173.42,52.8 C2514.2 172.1,52.8 v2(171.74,53.16) ; 136.31,139.12 136.84,139.12 136.95,139.01 140.5,139.01 140.87,138.65 C4708.2 ; v2(25.94,71.57) 24.93,70.56 v1(24.93,70.43) ; v1(69.6,104.3) 69.73,104.18 69.73,104.07 69.83,103.96 v1(72.76,103.96) 73.33,103.96 ; 82.87,74.22 82.87,70.53 83.11,70.29 83.11,69.77 ; C2512.2 157.59,51.89 v2(157.14,51.89) ; 80.99,82.69 80.97,82.72 80.97,83.32 U1000.2B8 ; 17.72,73.35 12.61,73.35 12.23,73.73 12.23,80.97 13.45,82.19 J9801.4 ; 83.27,60.12 83.27,60.07 83.78,59.56 84.41,59.56 v1(84.89,60.04) ; 83.58,65.28 83.58,65.48 ; 94.39,62.1 93.44,61.16 92.49,61.16 v1(92.17,60.84) ; 110.53,80.84 109.9,81.48 107.86,81.48 v1(105.96,83.38) 105.83,83.51 v1(102.66,83.51) v1(98.34,83.51) v1(96.94,82.11) 96.69,81.86 93.26,81.86 93.22,81.82 v1(92.88,81.82) ; v1(78.33,63.98) 78.04,63.98 77.64,63.57 U3800.AB5 ; 27.73,137.55 v1(28.23,137.55) ; 81.67,84.67 82.27,84.67 ; 161.2,53.04 v2(161.2,53.54) v2(161.2,54.3) v2(161.2,55.06) ; 88.66,147.32 88.65,147.32 ; v1(41.75,122.29) v1(41.75,120.68) v1(41.75,113.06) v1(41.75,110.52) v1(41.75,105.35) v1(41.75,104.21) 41.75,104.1 v1(42.61,103.23) v1(43.7,102.15) 44.38,101.47 v1(44.38,100.91) v1(44.38,98.37) v1(44.38,93.29) 44.38,93.02 v1(45.52,91.87) v1(46.36,91.03) v1(47.98,89.41) 47.99,89.41 48.19,89.21 51.6,89.21 v1(52.23,89.84) 52.02,90.04 50.9,90.04 50.7,89.85 v1(49.46,89.85) 49.26,90.04 48.37,90.04 v1(46.53,91.88) v1(45.53,92.88) 45.09,93.32 v1(45.09,93.72) v1(45.09,95.58) v1(45.09,98.12) v1(45.09,100.27) 45.09,101.77 v1(43.76,103.1) 42.56,104.3 v1(42.56,105.48) 42.56,108.89 v1(42.56,113.1) v1(42.56,115.64) v1(42.56,118.18) v1(42.56,120.72) v1(42.56,122.33) ; v2(156.5,51.89) 156.85,51.54 R2520.2 ; 59.75,29.54 v1(59.76,29.54) v1(60.76,30.54) v1(61.71,31.49) v1(63.55,33.33) v1(66.6,36.38) v1(67.81,37.59) 68.09,37.87 ; 90.82,76.39 90.27,76.39 ; v1(101.01,76.93) 100.9,77.03 ; v1(160.57,39.78) 159.99,39.2 157.63,39.2 157.55,39.13 v1(157.14,39.13) v1(154.98,39.13) v1(151.81,39.13) v1(149.27,39.13) v1(146.73,39.13) v1(144.54,39.13) v1(142.41,39.13) 142.21,39.13 141.26,40.08 140.86,40.08 v1(140.6,40.33) 139.61,40.33 139.61,40.33 v1(132.12,40.33) v1(128.95,40.33) v1(126.79,40.33) v1(125.36,40.33) v1(120.28,40.33) v1(117.74,40.33) v1(114.59,40.33) v1(112.66,40.33) v1(110.12,40.33) v1(107.53,40.33) ; 125.59,51.81 125.39,52 v2(125.39,52.55) ; C7706.2 67.63,19.39 v2(67.8,19.22) 67.63,19.05 C7707.2 ; 51.45,67.72 50.34,66.62 v1(50.34,66.62) ; 96.7,75.84 96.89,75.65 97.18,75.65 C1301.2 97.69,75.69 v1(97.74,75.64) ; 96.7,75.84 v1(96.7,75.86) ; U1000.AL8 92.33,78.52 92.06,78.79 92.01,78.79 92.01,78.79 91.67,78.79 91.66,78.79 91.5,78.79 91.49,78.79 U1000.2V1 ; v1(39.62,91.64) 39.71,91.55 39.71,89.01 38.53,87.83 Y8000.4 ; v1(68.1,78.98) 67.14,78.01 v2(67.13,78.01) v2(66.75,77.63) 66.75,77.42 ; v2(70.91,55.54) 70.68,55.54 70.12,56.1 70.12,61.43 69.13,62.43 69.13,69.94 72.02,72.84 v2(72.43,72.84) ; v1(138.6,17.46) 138.97,17.83 140.26,17.83 140.63,18.2 v1(140.63,18.36) ; v2(122.85,63.32) 122.32,63.32 U4102.2 122.32,63.95 v2(122.85,63.95) ; 170.22,51.76 v2(170.35,51.89) 170.92,51.89 C2513.2 170.54,52.65 170.35,52.65 v2(170.22,52.78) ; v2(87.4,145.8) 87.4,145.56 C2338.2 88.04,145.18 v2(88.04,145.8) ; 83.58,64.05 83.58,64.69 ; v1(102.53,80.08) v1(99.23,80.08) 98.49,79.34 91.68,79.34 91.59,79.25 ; v1(13.12,131.26) v1(14.01,131.26) ; v1(28.88,27.58) 28.45,28.01 v1(28.11,28.01) 27.85,28.01 27.47,28.39 27.47,28.52 27.22,28.77 v1(27.22,29.66) ; 80.97,83.37 80.97,83.97 ; v1(79.14,77.27) 78.54,77.27 ; v1(59.73,56.21) 59.86,56.33 60.49,56.33 61.13,56.97 61.13,58.75 60.37,59.51 v1(59.22,59.51) v1(58.08,59.51) ; v1(105.07,38.86) 98.62,45.31 ; 85.57,81.42 86.17,81.42 ; v1(137.07,78.72) 137.07,81.04 v1(137.28,81.25) v1(138.12,82.09) v1(142.67,86.64) 144.3,88.26 144.3,94.83 141.47,97.66 141.47,101.88 v1(141.41,101.94) v1(140.26,103.08) 140.08,103.27 140.08,108.06 139.95,108.19 139.95,133.39 v1(139.4,133.94) ; v1(169.71,64.46) v1(168.32,64.46) v1(167.43,64.46) ; 19.24,111.28 19.24,113.38 v2(19.34,113.48) ; 35.22,95.52 v1(35.22,95.43) v1(34.71,95.43) 34.71,95.52 R8005.1 35.22,95.52 ; 84.6,128.49 v1(84.6,127.76) 84.6,127.38 C2305.2 83.96,127.39 v1(83.96,127.76) 83.96,128.45 C2300.2 84.6,128.49
  TOP w0.107: 76.27,60.81 75.95,60.48 v1(74.7,60.48) ; 76.27,60.81 76.62,61.16 76.81,61.16 ; 76.27,60.81 76.96,61.49 v1(77.07,61.49) 77.07,61.41 76.81,61.16 ; v1(81.54,71.17) 81.54,71.02 81.09,70.57 81.09,70.2 v1(81.45,69.85) ; 76.81,61.16 77.41,61.16 U3800.AB8 ; v1(105.39,73.48) 105.25,73.48 105.13,73.35 104.49,73.35 104.38,73.46 104.38,73.96 105.13,74.71 105.13,75.83 ; 92.24,73.35 92.34,73.25 92.37,73.25 v1(92.37,73.25) 92.37,73.25 94.26,73.25 v1(94.42,73.1) ; 72.94,70.81 73.13,70.81 73.5,71.18 73.5,71.49 74.17,72.16 75.12,72.16 77.09,74.13 U1000.C1 ; 85.58,68.65 85.68,68.65 85.9,68.44 85.9,68.1 86.37,67.63 86.72,67.63 v1(86.84,67.76) ; 72.3,69.29 72.18,69.16 72.18,60.8 72.18,60.8 ; v1(95.04,60.52) v1(94.53,60.02) ; v1(103.56,77.4) 105.13,75.83 ; 105.13,75.83 106.17,74.79 107.82,74.79 107.86,74.75
  TOP w0.114: 83.58,64.33 83.55,64.37 U3800.N4 ; 83.27,66.3 83.12,66.44 ; 83.27,66.3 U3800.N2 ; 83.27,66.3 83.41,66.44 ; 83.12,66.44 v1(82.94,66.44) ; 83.12,66.44 83.41,66.44 ; U3800.N2 83.58,66.29 ; U3800.N2 83.58,65.65 83.58,65.48 ; v2(22.01,117.55) 19.88,117.55 ; U3800.N4 83.58,64.05 83.58,63.83 ; U3800.N4 83.58,64.69 83.58,64.84 ; 83.41,66.44 83.58,66.62 ; 19.47,113.69 19.47,113.61 v2(19.34,113.48) ; 19.47,113.69 19.47,113.7 19.47,116.84 19.76,117.13 v1(19.76,117.67) ; 19.47,113.69 19.59,113.58 U8100.B4 ; 83.58,66.98 83.1,67.47 v1(83.1,67.91) 83.58,67.42 83.58,66.98
  TOP w0.127: 86.24,61.43 86.19,61.38 v1(86.19,60.69) v1(86.19,59.89) ; 86.19,64.62 86.19,63.41 ; v1(78.39,59.89) 78.39,60.6 78.19,60.81 77.93,60.81 77.57,61.17 U3800.AB8 ; 86.4,63.19 85.98,63.19 86.19,63.4 86.19,63.41 ; 86.4,63.19 86.19,63.41 ; 86.4,63.19 86.82,62.77 ; v1(79.24,62.43) 79.11,62.56 78.63,62.56 78.62,62.56 76.44,62.56 v1(76.11,62.88) ; v1(74.7,60.48) v1(73.61,61.57) 73.5,61.68 73.5,63.3 73.57,63.37 v1(73.57,63.44) ; v1(75.86,65.18) 76.22,65.18 76.35,65.31 76.35,67.52 76.11,67.75 v1(76.09,67.75) ; v1(74.88,64.12) 74.66,64.34 74.66,66.69 v1(74.85,66.88) 74.62,67.12 74.62,69.35 74.72,69.46 75.18,69.92 v1(75.35,69.92)
  TOP w0.14: 82.14,75.47 v1(81.54,75.47) v1(80.94,75.47) ; 82.14,75.47 82.17,75.44 82.25,75.44 ; 82.14,75.47 82.14,78.47 ; 85.74,75.47 v1(85.14,75.47) 84.54,75.47 ; 85.74,75.47 85.74,76.07 85.74,76.67 ; 85.74,75.47 85.89,75.47 ; v1(86.94,77.87) 86.94,78.35 v1(87.14,78.55) ; v1(86.94,77.87) 87.54,77.87 ; v1(86.94,77.87) v1(86.94,77.27) 86.94,76.76 v1(86.9,76.71) ; 89.77,78.47 89.94,78.29 89.94,77.87 ; v1(86.94,75.47) 87.54,75.47 ; 87.54,75.47 88.06,75.47 v1(88.1,75.43) ; 87.54,75.47 87.54,76.67 ; v1(86.39,76.71) 86.9,76.71 v1(86.9,76.71) ; 82.02,78.49 81.56,78.49 ; v1(84.57,78.51) 84.6,78.48 85.19,78.48 ; 80.34,75.58 80.34,77.87 ; 89.3,76.71 88.78,76.71 ; v1(80.94,77.27) 80.94,76.76 v1(80.99,76.71) ; U1000.1U4 U1000.1U3 ; U1000.1F6 U1000.1G6 ; U1000.1F6 U1000.1E6 U1000.1E5 ; U1000.1F6 U1000.1F5 ; 82.72,78.49 83.26,78.49 83.28,78.5 ; U1000.1U6 U1000.1V6 U1000.1W6 U1000.1Y6 ; 89.34,75.47 89.34,77.27 ; 89.34,75.47 88.14,75.47 ; 89.34,75.47 v1(89.94,75.47) ; v1(78.53,76.05) 78.53,76.08 78.58,76.13 78.58,76.63 v1(79.1,76.63) ; 79.14,77.87 v1(79.14,77.27) ; U1000.1K6 82.49,78.22 82.99,78.22 ; v1(82.7,76.62) 82.19,76.62 ; 87.54,76.67 87.54,76.66 86.95,76.66 v1(86.9,76.71) ; 87.54,76.67 87.54,77.87 ; U1000.1AC5 U1000.1AC4 ; v1(88.74,77.27) 89.34,77.27 ; v1(88.74,77.27) 88.74,76.76 v1(88.74,76.76) ; v1(88.74,77.27) v1(88.74,77.87) ; 89.34,77.27 89.34,77.87 ; 80.24,76.57 79.84,76.57 ; v1(81.5,76.71) 81.5,76.71 80.99,76.71 ; 78.53,75.48 78.53,76.05 ; 89.34,77.87 v1(88.74,77.87) ; 89.34,77.87 89.34,78.69 ; v1(88.74,77.87) 87.54,77.87 ; U1000.1AB6 U1000.1AB5 ; 78.46,76.75 78.03,76.75 ; 83.94,77.27 83.94,77.87 v1(83.34,77.87) ; U1000.1L6 U1000.1M6 U1000.1N6 ; 86.34,76.67 85.74,76.67 ; 85.74,76.67 85.74,78.41 85.77,78.44 ; 85.74,76.67 85.14,76.67 85.12,76.69 v1(85.1,76.69) ; 83.07,77.59 83.07,78.14 ; v1(83.34,76.67) 83.94,76.67 83.94,76.07 ; v1(82.61,81.72) v1(82.61,82.37) 82.62,82.37 v1(82.62,83.02) v1(82.62,83.67) ; 83.43,75.47 v1(83.39,75.42) ; 83.43,75.47 82.74,75.47 ; 83.43,75.47 84.49,75.47 v1(84.52,75.49) ; 76.77,75.49 76.79,75.47 v1(77.34,75.47) v1(77.94,75.47) v1(79.74,75.47) ; 85.29,78.54 85.67,78.54 ; v1(80.34,64.04) v1(80.34,64.84) ; U1000.1H4 U1000.1H3 ; 80.94,88.67 80.94,87.47 ; 84.29,75.72 84.79,75.72 ; 89.41,77.33 89.93,77.33 v1(89.95,77.35) 89.94,77.36 v1(89.94,77.8) ; v1(82.64,78.49) 82.11,78.49 82.09,78.47 ; U1000.1N2 U1000.1M2 ; 90.27,76.39 90.27,76.94 ; 88.7,76.73 88.68,76.71 v1(88.18,76.71) ; U1000.1T6 86.02,78.14 86.02,77.59 ; 83.07,76.94 83.62,76.94 ; v1(86.34,75.47) 86.94,75.47 ; U1000.1N4 U1000.1M4 ; 84.54,88.67 84.54,88.07 ; 83.07,75.74 83.62,75.74 ; 84.89,75.72 85.39,75.72 U1000.1R2 ; 83.3,76.62 82.79,76.62 ; 80.97,78.17 80.64,78.17 ; 81.59,76.71 82.1,76.71
  TOP w0.145: U3800.J1 85.87,66.43 86.19,66.11 86.19,64.62 86.19,64.62 ; v1(80.34,59.89) v1(80.34,59.24) v1(80.34,58.44) ; v1(82.29,59.89) 82.29,60.69 v1(82.3,60.71) ; 89.44,59.24 89.44,59.95 v1(89.49,60) ; 89.44,65.48 v1(89.44,64.69) ; U3800.G1 87.17,66.45 87.49,66.13 87.49,65.5 v1(87.49,65.49) ; v1(86.84,58.29) v1(86.84,59.24) ; v1(79.04,65.64) 79.04,64.94 ; v1(80.99,66.44) v1(80.99,65.49)